# Altium PCB 控制盒基板.PcbDoc (part 3 of 8) (continued)
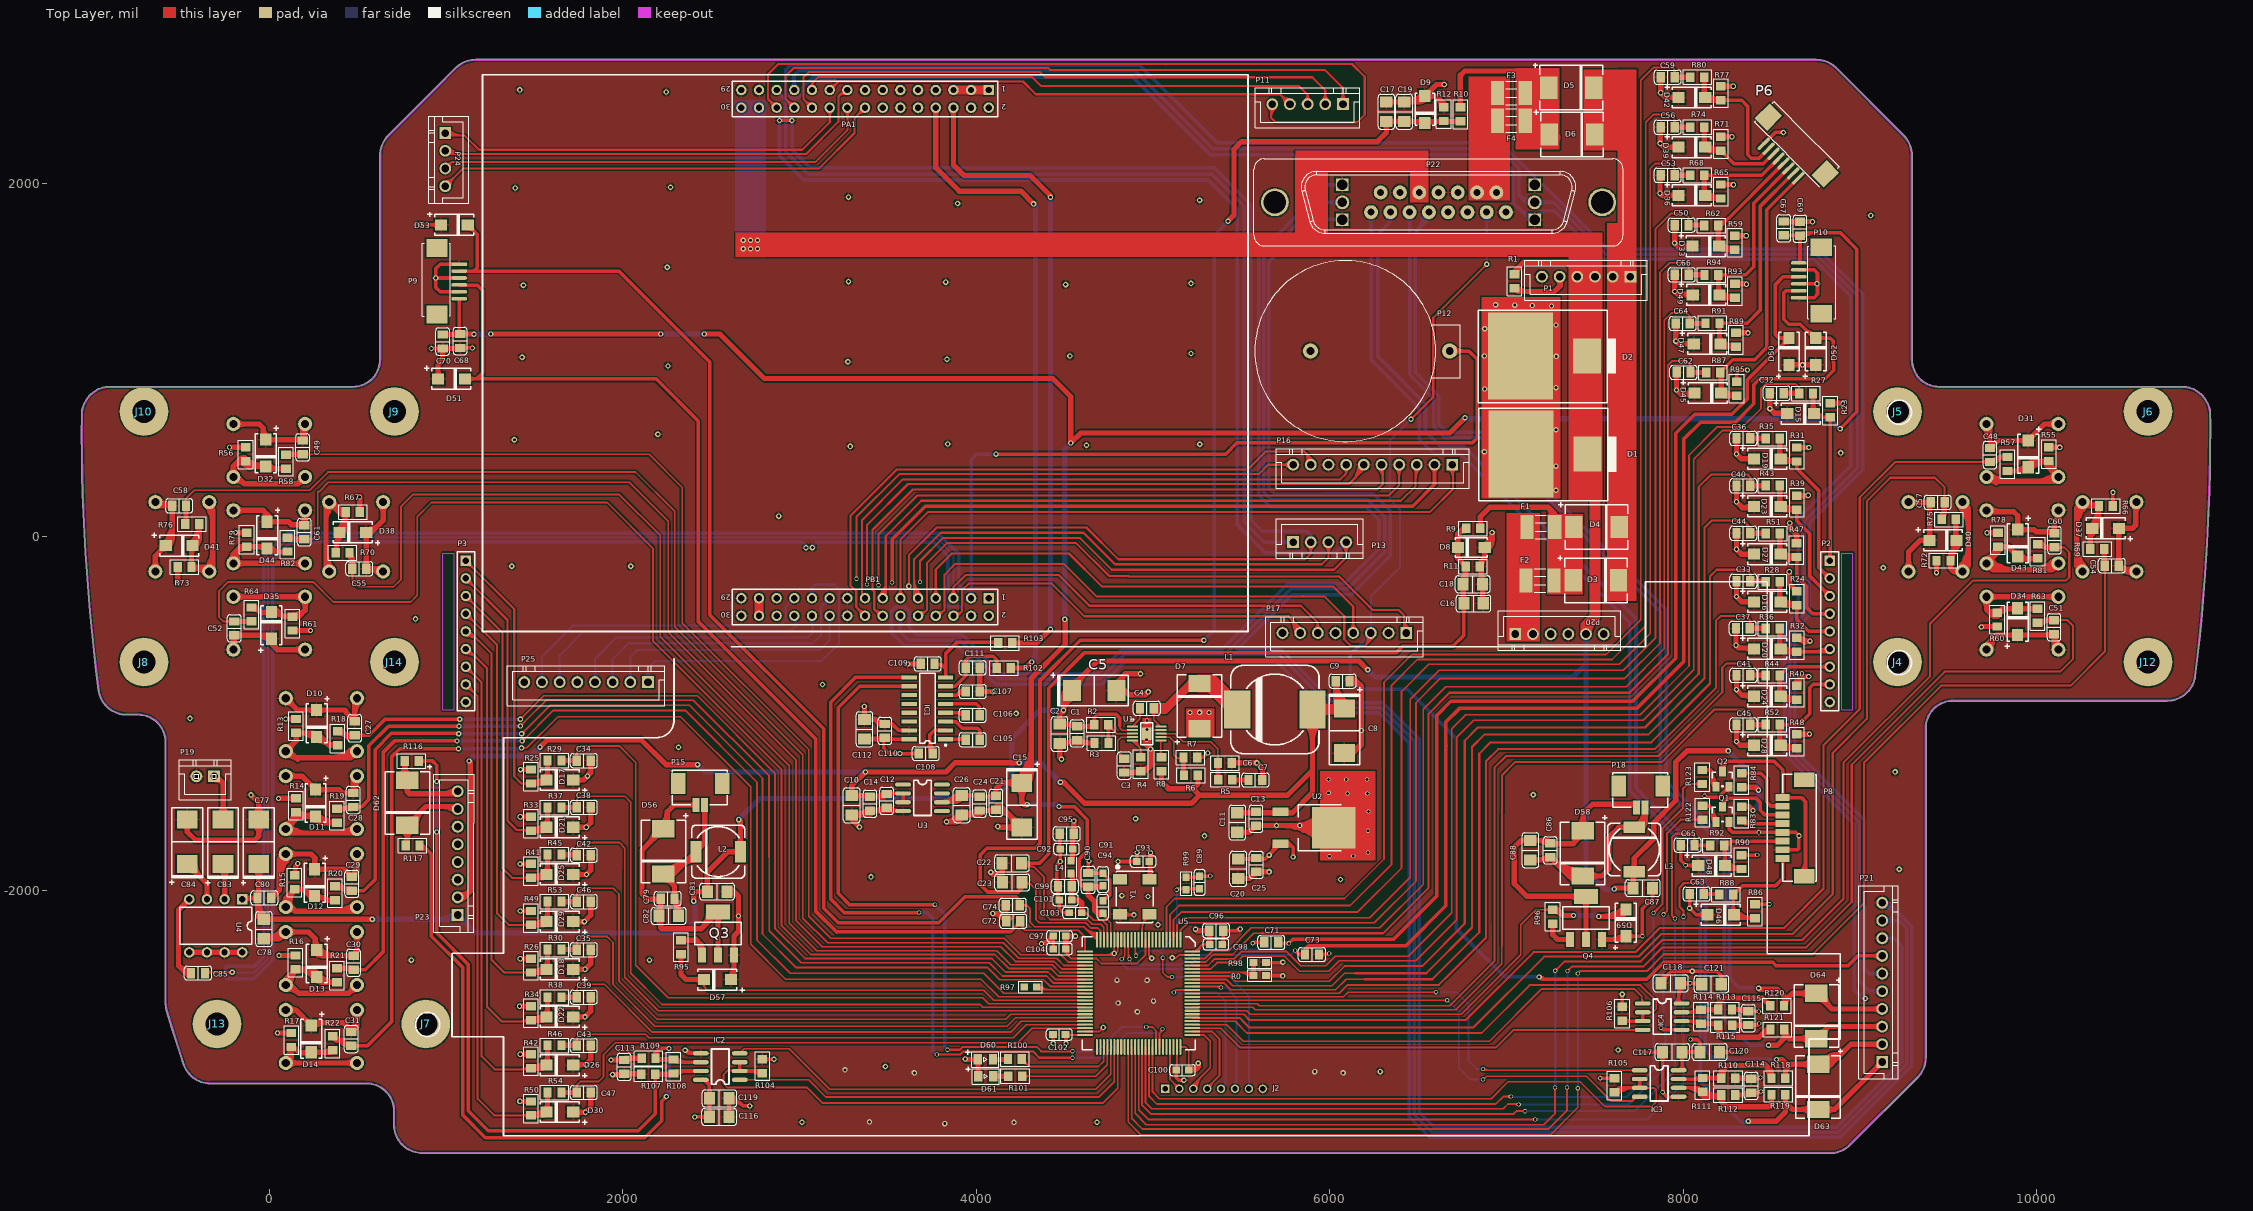
[diagram p0: Top Layer view]
## Nets (pads, with @x,y where several pads share a name; then routed paths per layer and width w, separated by ;. In a path a pad name is that pad's centre, name@x,y a point inside that pad or via, vN(x,y) a via of type N, cw(c..) or ccw(c..) an arc to the next point about the centre after c; other vN are vias at no path point) (continued)
  Bottom Layer w12: v2@7159,-3296 v2(7163,-3296) 7798,-3296 8002,-3092 v2(8002,-2150) ; 7177.49,-3296 ccw(c7177.49,-3310.49) 7167.24,-3300.24 cw(c7177.49,-3310.49) 7177.49,-3296 ; 7177.49,-3296 cw(c7177.49,-3281.51) 7167.24,-3291.76 ccw(c7177.49,-3281.51) 7177.49,-3296 ; 8002,-2164.49 ccw(c7987.51,-2164.49) 7997.76,-2154.24 cw(c7987.51,-2164.49) 8002,-2164.49 ; 8002,-2164.49 cw(c8016.49,-2164.49) 8006.24,-2154.24 ccw(c8016.49,-2164.49) 8002,-2164.49
KEYSWIN_G2: C65.1 R92.1 U5.64 | length 5589.8
  Top Layer w10: U5.64@4938.68,-2886.15 4938.68,-3216.68 4987,-3265 6834,-3265 ; 6835,-3266 6834,-3265 ; v2(7105,-3250) 7103,-3248 7059,-3248 7042,-3265 6834,-3265 ; 7083.27,-3248 cw(c7083.27,-3271.73) 7100.05,-3254.95 ccw(c7083.27,-3271.73) 7083.27,-3248 ; 7092.93,-3248 ccw(c7092.93,-3237.93) 7100.05,-3245.05 cw(c7092.93,-3237.93) 7092.93,-3248
  Top Layer w12: v2@7948,-2160 ccw(c7933.51,-2160) 7943.76,-2149.76 ccw(c7954,-2139.51) v2@7954,-2154 ; v2(7954,-2160) 7936,-2142 7936,-1701 7957,-1680 8044,-1680 8047,-1677 8064.37,-1694.37 C65.1@8064.37,-1744 ; 8064.37,-1695.55 ccw(c8106.91,-1695.55) 8076.83,-1725.63 cw(c8106.91,-1695.55) 8064.37,-1695.55 ; 8064.37,-1695.55 cw(c8021.83,-1695.55) 8051.91,-1725.63 ccw(c8021.83,-1695.55) 8064.37,-1695.55
  Top Layer w20: C65.1@8064.37,-1744 8066.37,-1746 R92.1@8152.63,-1746 ; 8119.74,-1746 ccw(c8119.74,-1713.11) 8143,-1736.37 cw(c8119.74,-1713.11) 8119.74,-1746 ; 8119.74,-1746 cw(c8119.74,-1778.89) 8143,-1755.63 ccw(c8119.74,-1778.89) 8119.74,-1746 ; C65.1@8074,-1753.63 cw(c8092.43,-1772.06) 8092.43,-1746 ccw(c8092.43,-1772.06) C65.1@8074,-1753.63 ; C65.1@8074,-1734.37 ccw(c8102.09,-1706.29) 8102.09,-1746 cw(c8102.09,-1706.29) C65.1@8074,-1734.37
  Bottom Layer w12: v2@7103,-3249 7725,-3249 7954,-3020 v2(7954,-2160) ; 7954,-2174.49 ccw(c7939.51,-2174.49) 7949.76,-2164.24 cw(c7939.51,-2174.49) 7954,-2174.49 ; 7954,-2174.49 cw(c7968.49,-2174.49) 7958.24,-2164.24 ccw(c7968.49,-2174.49) 7954,-2174.49 ; v2@7109.24,-3254.24 cw(c7121.9,-3266.9) 7121.9,-3249 ccw(c7121.9,-3266.9) v2@7109.24,-3254.24 ; v2@7109.24,-3245.76 ccw(c7117.07,-3237.93) 7117.07,-3249 cw(c7117.07,-3237.93) v2@7109.24,-3245.76
KEYSWIN_H1: C27.1 R18.1 U5.34 | length 5882
  Top Layer w10: 1433.6,-1018.62 ccw(c1438.12,-1035.51) v1(1421,-1032) ; 1434.38,-1019.4 cw(c1417.49,-1014.88) v1(1421,-1032) ; U5.34@4615.85,-2504.26 4448.26,-2504.26 4406,-2462 4165,-2462 4089,-2386 3032,-2386 2861,-2215 2861,-1337 2423,-899 1554,-899 v1(1421,-1032) ; 1438.07,-1014.93 ccw(c1455.14,-1032) 1431,-1032 cw(c1455.14,-1032) 1438.07,-1014.93 ; 1438.07,-1014.93 cw(c1421,-997.86) 1421,-1022 ccw(c1421,-997.86) 1438.07,-1014.93
  Top Layer w20: C27.1@484,-1122.37 565.63,-1122.37 657,-1031 1077,-1031 v1(1078,-1032) ; 522.79,-1122.37 ccw(c522.79,-1155.26) 499.54,-1132 cw(c522.79,-1155.26) 522.79,-1122.37 ; 522.79,-1122.37 cw(c522.79,-1089.48) 499.54,-1112.74 ccw(c522.79,-1089.48) 522.79,-1122.37
  Top Layer w30: R18.1@387,-1100.63 412.63,-1100.63 439,-1127 ; R18.1@390.94,-1109.25 cw(c390.94,-1182.44) 442.69,-1130.69 ; R18.1@391.53,-1109.23 cw(c395.75,-1170.24) 439,-1127 ; R18.1@398.4,-1096.32 ccw(c441.06,-1071.69) 428.31,-1119.27 ; C27.1@484,-1122.37 443.63,-1122.37 439,-1127
  Bottom Layer w20: v1(1078,-1032) v1(1421,-1032) v1@1422,-1031
KEYSWIN_H2: C28.1 R19.1 U5.35 | length 6122.6
  Top Layer w10: v1(1421,-1070) 1422.6,-1070 1449,-1043.6 1449,-1042 1567,-924 2400,-924 2828,-1352 2828,-1812 2829,-1813 2829,-2229 3010,-2410 4074,-2410 4149,-2485 4398,-2485 4436.94,-2523.94 U5.35@4615.85,-2523.94 ; v1@1421,-1060 ccw(c1421,-1032) 1440.8,-1051.8 ; v1@1431,-1070 cw(c1451.28,-1070) 1436.94,-1055.66
  Top Layer w20: C28.1@475,-1528.37 521.63,-1528.37 564,-1486 564,-1183 675,-1072 v1(1074,-1072) ; 513.79,-1528.37 ccw(c513.79,-1561.26) 490.54,-1538 cw(c513.79,-1561.26) 513.79,-1528.37 ; 513.79,-1528.37 cw(c513.79,-1495.48) 490.54,-1518.74 ccw(c513.79,-1495.48) 513.79,-1528.37
  Top Layer w30: R19.1@384,-1538.63 464.74,-1538.63 C28.1@475,-1528.37 ; 442.13,-1534.32 cw(c452.28,-1551.91) C28.1@464.08,-1535.39 ; 423.51,-1538.63 ccw(c423.51,-1482.79) 463,-1522.27 cw(c423.51,-1482.79) 423.51,-1538.63
  Bottom Layer w20: v1(1074,-1072) 1419,-1072 v1(1421,-1070) ; 1404.1,-1072 ccw(c1404.1,-1053.1) 1417.46,-1066.46 cw(c1404.1,-1053.1) 1404.1,-1072
KEYSWIN_H3: C29.1 R20.1 U5.36 | length 6748.8
  Top Layer w10: 1440.6,-1100.62 ccw(c1445.12,-1117.51) v1(1428,-1114) ; 1441.38,-1101.4 cw(c1424.49,-1096.88) v1(1428,-1114) ; U5.36@4615.85,-2543.63 4418.63,-2543.63 4381,-2506 4134,-2506 4065,-2437 2981,-2437 2791,-2247 2791,-1366 2378,-953 1589,-953 v1(1428,-1114) ; 1445.07,-1096.93 ccw(c1462.14,-1114) 1438,-1114 cw(c1462.14,-1114) 1445.07,-1096.93 ; 1445.07,-1096.93 cw(c1428,-1079.86) 1428,-1104 ccw(c1428,-1079.86) 1445.07,-1096.93
  Top Layer w20: C29.1@468,-2002.37 535.63,-2002.37 599,-1939 599,-1204 691,-1112 1070,-1112 v1(1072,-1114) ; 506.79,-2002.37 ccw(c506.79,-2035.26) 483.54,-2012 cw(c506.79,-2035.26) 506.79,-2002.37 ; 506.79,-2002.37 cw(c506.79,-1969.48) 483.54,-1992.74 ccw(c506.79,-1969.48) 506.79,-2002.37 ; 1055.1,-1112 cw(c1055.1,-1130.9) 1068.46,-1117.54 ccw(c1055.1,-1130.9) 1055.1,-1112
  Top Layer w30: R20.1@372,-1976.63 407.63,-1976.63 ; R20.1@377.53,-1985.1 cw(c389.09,-2046.65) 433.37,-2002.37 ; R20.1@379.5,-1984.48 cw(c395.72,-2020.24) 423.48,-1992.48 ; 421.99,-1990.99 ccw(c442.32,-1970.67) C29.1@457.53,-1995.06 ; C29.1@460.74,-1993.86 cw(c451.06,-1933.2) 407.63,-1976.63 ; C29.1@468,-2002.37 433.37,-2002.37 ; 407.63,-1976.63 433.37,-2002.37
  Bottom Layer w20: v1(1072,-1114) v1(1428,-1114)
KEYSWIN_H4: C30.1 R21.1 U5.38 | length 6967.1
  Top Layer w10: 1445.38,-1141.15 ccw(c1450.72,-1161.08) v1(1431,-1155) 1434,-1155 1607,-982 2353,-982 2760,-1389 2760,-2282 2947,-2469 4042,-2469 4156,-2583 U5.38@4615.85,-2583 ; v1@1431,-1145 ccw(c1431,-1113.62) 1453.19,-1135.81 cw(c1431,-1113.62) v1@1431,-1145 ; v1@1441,-1155 cw(c1457.9,-1155) 1445.95,-1143.05 ccw(c1457.9,-1155) v1@1441,-1155
  Top Layer w20: C30.1@477,-2449.37 543.63,-2449.37 644,-2349 644,-1220 709,-1155 v1(1062,-1155) ; 515.79,-2449.37 ccw(c515.79,-2482.26) 492.54,-2459 cw(c515.79,-2482.26) 515.79,-2449.37 ; 515.79,-2449.37 cw(c515.79,-2416.48) 492.54,-2439.74 ccw(c515.79,-2416.48) 515.79,-2449.37
  Top Layer w30: R21.1@383,-2441.63 469.26,-2441.63 C30.1@477,-2449.37 ; 431.59,-2441.63 cw(c431.59,-2488.87) 465,-2455.47 ccw(c431.59,-2488.87) 431.59,-2441.63
  Bottom Layer w20: v1(1062,-1155) v1(1431,-1155) v1@1432,-1154
KEYSWIN_H5: C31.1 R22.1 U5.39 | length 7575.5
  Top Layer w10: v1(1427,-1194) 1458,-1194 1634,-1018 2327,-1018 2724,-1415 2724,-1865 ; 2724,-1876 2724,-1865 ; U5.39@4615.85,-2602.68 4126.68,-2602.68 4027,-2503 2921,-2503 2724,-2306 2724,-1865 ; 1451.14,-1194 ccw(c1451.14,-1218.14) 1434.07,-1201.07 cw(c1451.14,-1218.14) 1451.14,-1194 ; 1451.14,-1194 cw(c1451.14,-1169.86) 1434.07,-1186.93 ccw(c1451.14,-1169.86) 1451.14,-1194
  Top Layer w20: C31.1@464,-2880.37 555.63,-2880.37 692,-2744 692,-1246 739,-1199 v1(1071,-1199) v1@1074,-1196 ; 502.79,-2880.37 ccw(c502.79,-2913.26) 479.54,-2890 cw(c502.79,-2913.26) 502.79,-2880.37 ; 502.79,-2880.37 cw(c502.79,-2847.48) 479.54,-2870.74 ccw(c502.79,-2847.48) 502.79,-2880.37
  Top Layer w30: R22.1@359,-2826.63 381.37,-2849 410,-2849 ; 414.83,-2853.83 ccw(c458.1,-2810.56) C31.1@458.1,-2871.75 ; 418.36,-2857.36 ccw(c453.52,-2822.2) C31.1@457.42,-2871.77 ; 419.38,-2864.72 cw(c410.4,-2913.14) C31.1@450.99,-2885.25 ; C31.1@464,-2880.37 441.37,-2880.37 410,-2849 ; 410,-2849 cw(c410,-2806.39) 370.86,-2823.22 ccw(c410,-2806.39) 410,-2849
  Bottom Layer w20: v1(1071,-1199) 1422,-1199 v1(1427,-1194) ; 1402.86,-1199 ccw(c1402.86,-1169.86) 1423.46,-1190.46 cw(c1402.86,-1169.86) 1402.86,-1199
KEYSWIN_I1: C50.1 R62.1 U5.2 | length 6839.4
  Top Layer w10: U5.2@5135.53,-2279.85 5135.53,-2197.47 5178,-2155 6226,-2155 6456,-1925 6456,-918 6619,-755 7076,-755 7660,-755 7844,-571 7844,1743 7930,1829 8009,1829 8030.37,1807.63 C50.1@8030.37,1764 ; 8030.37,1807.63 ccw(c8059.27,1807.63) 8041.69,1784.69 cw(c8059.27,1807.63) 8030.37,1807.63 ; 8030.37,1807.63 cw(c8001.47,1807.63) 8019.05,1784.69 ccw(c8001.47,1807.63) 8030.37,1807.63
  Top Layer w30: C50.1@8030.37,1764 8116.63,1764 R62.1@8119.63,1761
KEYSWIN_I2: C53.1 R68.1 U5.3 | length 7072
  Top Layer w10: U5.3@5115.85,-2279.85 5115.85,-2168.15 5162,-2122 6159,-2122 6407,-1874 6407,-875 6561,-721 7639,-721 7813,-547 7813,2084 7841,2112 7925,2112 7951.37,2085.63 C53.1@7951.37,2046 ; 7951.37,2085.63 ccw(c7972.59,2085.63) 7961.29,2067.67 cw(c7972.59,2085.63) 7951.37,2085.63 ; 7951.37,2085.63 cw(c7930.15,2085.63) 7941.45,2067.67 ccw(c7930.15,2085.63) 7951.37,2085.63
  Top Layer w30: C53.1@7951.37,2046 R68.1@8040.63,2046
KEYSWIN_J1: C56.1 R74.1 U5.4 | length 7397.5
  Top Layer w10: U5.4@5096.16,-2279.85 5096.16,-2137.84 5148,-2086 5210,-2086 6116,-2086 6350,-1852 6350,-840 6496,-694 6871,-694 ; 6858,-694 6871,-694 ; C56.1@7951.37,2318 7951.37,2361.63 7923,2390 7833,2390 7788,2345 7788,-503 7597,-694 6871,-694 ; 7951.37,2361.63 ccw(c7980.27,2361.63) 7962.69,2338.69 cw(c7980.27,2361.63) 7951.37,2361.63 ; 7951.37,2361.63 cw(c7922.47,2361.63) 7940.05,2338.69 ccw(c7922.47,2361.63) 7951.37,2361.63
  Top Layer w30: C56.1@7951.37,2318 R74.1@8040.63,2318
KEYSWIN_J2: C59.1 R80.1 U5.5 | length 7640.5
  Top Layer w10: U5.5@5076.48,-2279.85 5076.48,-2172 5076.48,-2093.52 5124,-2046 6084,-2046 6307,-1823 6307,-823 6464,-666 7564,-666 7760,-470 7760,2584 7831,2655 7940,2655 7951.37,2643.63 C59.1@7951.37,2601 ; 7951.37,2643.63 ccw(c7978.27,2643.63) 7962.37,2621.93 cw(c7978.27,2643.63) 7951.37,2643.63 ; 7951.37,2643.63 cw(c7924.47,2643.63) 7940.37,2621.93 ccw(c7924.47,2643.63) 7951.37,2643.63
  Top Layer w30: C59.1@7951.37,2601 R80.1@8040.63,2601
KEYSWIN_M2: C62.1 R87.1 U5.97 | length 6077.7
  Top Layer w10: U5.97@5222.15,-2405.83 5299.17,-2405.83 5342,-2363 5450,-2363 5570,-2243 5615,-2243
  Top Layer w12: 5615,-2243 6302,-2243 6560,-1985 6560,-1000 6678,-882 6879,-882 ; 6805,-882 6879,-882 ; C62.1@8041.37,930 8041.37,971.63 8018,995 7938,995 7915,972 7915,-663 7696,-882 6879,-882 ; 8041.37,971.63 ccw(c8068.77,971.63) 8052.09,949.89 cw(c8068.77,971.63) 8041.37,971.63 ; 8041.37,971.63 cw(c8013.97,971.63) 8030.65,949.89 ccw(c8013.97,971.63) 8041.37,971.63
  Top Layer w30: C62.1@8041.37,930 R87.1@8130.63,930
KEYSWIN_M3: C64.1 R91.1 U5.98 | length 6280.5
  Top Layer w10: U5.98@5222.15,-2386.15 5292.85,-2386.15 5338,-2341 5428,-2341 5557,-2212 6284,-2212 6529,-1967 6529,-975 6656,-848 7677,-848 7893,-632 7893,1225 7934,1266 8021,1266 8037.37,1249.63 C64.1@8037.37,1207 ; 8037.37,1249.63 ccw(c8064.27,1249.63) 8048.37,1227.93 cw(c8064.27,1249.63) 8037.37,1249.63 ; 8037.37,1249.63 cw(c8010.47,1249.63) 8026.37,1227.93 ccw(c8010.47,1249.63) 8037.37,1249.63
  Top Layer w30: C64.1@8037.37,1207 8124.63,1207 R91.1@8126.63,1209 ; 8101.14,1207 cw(c8101.14,1179.57) 8120.53,1198.97 ccw(c8101.14,1179.57) 8101.14,1207
KEYSWIN_M4: C66.1 R94.1 U5.1 | length 6546.5
  Top Layer w10: U5.1@5155.22,-2279.85 5155.22,-2226.78 5199,-2183 6253,-2183 6488,-1948 6488,-939 6626,-801 7669,-801 7869,-601 7869,1497 7923,1551 8004,1551 8031.37,1523.63 C66.1@8031.37,1483 ; 8031.37,1523.63 ccw(c8054.43,1523.63) 8041.67,1504.42 cw(c8054.43,1523.63) 8031.37,1523.63 ; 8031.37,1523.63 cw(c8008.31,1523.63) 8021.07,1504.42 ccw(c8008.31,1523.63) 8031.37,1523.63
  Top Layer w30: C66.1@8031.37,1483 8119.63,1483 R94.1@8120.63,1482
KEYSWLED_G1: R122.2 U5.65 | length 5236.1
  Top Layer w10: U5.65@4958.37,-2886.15 4958.37,-3201.37 4993,-3236 6788,-3236 ; 6789,-3237 6788,-3236 ; v2(7069,-3212) 7066,-3209 7009,-3209 6982,-3236 6788,-3236 ; 7044.86,-3209 cw(c7044.86,-3236.14) 7064.05,-3216.95 ccw(c7044.86,-3236.14) 7044.86,-3209
  Top Layer w12: v2(7889,-2136) 7909,-2116 7909,-1677 7985.79,-1600.21 R122.2@8109,-1600.21 ; v2@7889,-2130 ccw(c7889,-2115.51) 7899.24,-2125.76 ccw(c7909.49,-2136) v2@7895,-2136 ; 8062.52,-1600.21 ccw(c8062.52,-1557.67) 8092.6,-1587.75 cw(c8062.52,-1557.67) 8062.52,-1600.21 ; 8062.52,-1600.21 cw(c8062.52,-1642.76) 8092.6,-1612.67 ccw(c8062.52,-1642.76) 8062.52,-1600.21
  Bottom Layer w12: v2@7066,-3212 v2(7069,-3212) 7691,-3212 7901,-3002 7901,-2767.23 7889,-2755.23 v2(7889,-2136) ; 7083.49,-3212 ccw(c7083.49,-3226.49) 7073.24,-3216.24 cw(c7083.49,-3226.49) 7083.49,-3212 ; 7083.49,-3212 cw(c7083.49,-3197.51) 7073.24,-3207.76 ccw(c7083.49,-3197.51) 7083.49,-3212 ; 7889,-2150.49 ccw(c7874.51,-2150.49) 7884.76,-2140.24 cw(c7874.51,-2150.49) 7889,-2150.49 ; 7889,-2150.49 cw(c7903.49,-2150.49) 7893.24,-2140.24 ccw(c7903.49,-2150.49) 7889,-2150.49
KEYSWLED_G2: R123.2 U5.66 | length 5326.9
  Top Layer w10: U5.66@4978.05,-2886.15 4978.05,-3166.05 5021,-3209 6940,-3209 6982,-3167 v2(7025,-3167) ; 7008.1,-3167 ccw(c7008.1,-3150.1) 7020.05,-3162.05 cw(c7008.1,-3150.1) 7008.1,-3167 ; 7008.1,-3167 cw(c7008.1,-3183.9) 7020.05,-3171.95 ccw(c7008.1,-3183.9) 7008.1,-3167
  Top Layer w12: v2(7832,-2128) 7882,-2078 7882,-1652 8000,-1534 8000,-1424 8025.79,-1398.21 R123.2@8108,-1398.21 ; 7842.24,-2117.76 ccw(c7852.49,-2128) 7838,-2128 cw(c7852.49,-2128) 7842.24,-2117.76 ; 7842.24,-2117.76 cw(c7832,-2107.51) 7832,-2122 ccw(c7832,-2107.51) 7842.24,-2117.76 ; 8061.52,-1398.21 ccw(c8061.52,-1355.67) 8091.6,-1385.75 cw(c8061.52,-1355.67) 8061.52,-1398.21 ; 8061.52,-1398.21 cw(c8061.52,-1440.76) 8091.6,-1410.67 ccw(c8061.52,-1440.76) 8061.52,-1398.21
  Bottom Layer w12: v2@7022,-3169 7679,-3169 7832,-3016 v2(7832,-2128) ; 7832,-2142.49 ccw(c7817.51,-2142.49) 7827.76,-2132.24 cw(c7817.51,-2142.49) 7832,-2142.49 ; 7832,-2142.49 cw(c7846.49,-2142.49) 7836.24,-2132.24 ccw(c7846.49,-2142.49) 7832,-2142.49 ; v2@7029.24,-3162.76 ccw(c7044.31,-3147.69) 7044.31,-3169 cw(c7044.31,-3147.69) v2@7029.24,-3162.76
KJ_A1: D15.2 P2.1 R23.1 R27.2 | length 1603.8
  Top Layer w10: D15.2@8740.79,689.63 D15.2@8740.79,697
  Top Layer w20: D15.2@8740.79,689.63 D15.2@8748.16,689.63 ; D15.2@8740.79,697 8767.63,697 8788,676.63 ; D15.2@8744.2,695.58 cw(c8754.16,665.02) 8776.89,687.74 ; D15.2@8756.09,679.4 cw(c8770.39,659.02) 8788,676.63 ; P2.1@8829.73,-134.96 8832,-132.68 R23.1@8832,676.63 8788,676.63 ; 8795.18,676.63 ccw(c8795.18,709.52) 8818.43,686.26 cw(c8795.18,709.52) 8795.18,676.63 ; 8795.18,676.63 cw(c8795.18,643.74) 8818.43,667 ccw(c8795.18,643.74) 8795.18,676.63 ; 8832,643.74 ccw(c8799.11,643.74) 8822.37,667 cw(c8799.11,643.74) 8832,643.74 ; 8832,643.74 cw(c8864.89,643.74) 8841.63,667 ccw(c8864.89,643.74) 8832,643.74 ; P2.1@8815.92,-121.15 ccw(c8777.09,-82.32) 8832,-82.32 cw(c8777.09,-82.32) P2.1@8815.92,-121.15 ; 8832,-93.3 ccw(c8871.38,-93.3) 8843.53,-121.15 cw(c8871.38,-93.3) 8832,-93.3
  Top Layer w30: R27.2@8734.9,811 8734.9,702.89 D15.2@8740.79,697 D15.2@8748.16,689.63 ; D15.2@8726.17,708.66 ccw(c8705.1,729.73) 8734.9,729.73 cw(c8705.1,729.73) D15.2@8726.17,708.66 ; 8734.9,743.92 ccw(c8784.75,743.92) 8749.5,708.66 cw(c8784.75,743.92) 8734.9,743.92
KJ_A2: D19.2 P2.2 R31.1 R35.2 | length 1626.1
  Top Layer w20: R31.1@8643,426.63 8643,387 8766,264 8766,-171.23 P2.2@8829.73,-234.96 ; 8803.8,-211.09 ccw(c8836.4,-202.36) P2.2@8829.63,-235.42 ; 8805.86,-209.03 cw(c8797.13,-241.63) P2.2@8830.19,-234.86 ; 8643,393.74 ccw(c8610.11,393.74) 8633.37,417 cw(c8610.11,393.74) 8643,393.74 ; 8643,393.74 cw(c8675.89,393.74) 8652.63,417 ccw(c8675.89,393.74) 8643,393.74 ; 8796.39,-201.62 ccw(c8829.73,-168.29) 8829.73,-215.43 cw(c8829.73,-168.29) 8796.39,-201.62 ; 8796.39,-201.62 cw(c8763.06,-234.96) 8810.2,-234.96 ccw(c8763.06,-234.96) 8796.39,-201.62
  Top Layer w30: R35.2@8545.9,557 8545.9,446.89 8566.16,426.63 R31.1@8643,426.63 ; D19.2@8566.72,429.66 cw(c8585.41,411.97) 8598.28,434.26 ; D19.2@8537.17,452.66 ccw(c8516.1,473.73) 8545.9,473.73 cw(c8516.1,473.73) D19.2@8537.17,452.66 ; 8545.9,487.92 ccw(c8595.75,487.92) 8560.5,452.66 cw(c8595.75,487.92) 8545.9,487.92 ; D19.2@8566.4,452.66 ccw(c8629.26,515.52) 8629.26,426.63 cw(c8629.26,515.52) D19.2@8566.4,452.66 ; 8612.38,431.15 ccw(c8620.01,459.63) 8634.75,434.1 cw(c8620.01,459.63) 8612.38,431.15
KJ_A3: D23.2 P2.3 R39.1 R43.2 | length 1473.5
  Top Layer w12: P2.3@8824.77,-330 P2.3@8829.73,-334.96
  Top Layer w20: D23.2@8551.79,172 D23.2@8570.16,153.63 ; R39.1@8643,153.63 8643,90 8716,17 8716,-221.23 P2.3@8829.73,-334.96 ; 8803.8,-311.09 ccw(c8836.4,-302.36) P2.3@8829.63,-335.42 ; 8805.86,-309.03 cw(c8797.13,-341.63) P2.3@8830.19,-334.86 ; 8643,120.74 ccw(c8610.11,120.74) 8633.37,144 cw(c8610.11,120.74) 8643,120.74 ; 8643,120.74 cw(c8675.89,120.74) 8652.63,144 ccw(c8675.89,120.74) 8643,120.74 ; 8796.39,-301.62 ccw(c8829.73,-268.29) 8829.73,-315.43 cw(c8829.73,-268.29) 8796.39,-301.62 ; 8796.39,-301.62 cw(c8763.06,-334.96) 8810.2,-334.96 ccw(c8763.06,-334.96) 8796.39,-301.62
  Top Layer w30: R43.2@8545.9,291 8545.9,177.89 8570.16,153.63 R39.1@8643,153.63 ; D23.2@8564.88,158.99 cw(c8586.67,131.01) 8604.4,161.72 ; D23.2@8537.17,183.66 ccw(c8516.1,204.73) 8545.9,204.73 cw(c8516.1,204.73) D23.2@8537.17,183.66 ; 8545.9,218.92 ccw(c8595.75,218.92) 8560.5,183.66 cw(c8595.75,218.92) 8545.9,218.92 ; D23.2@8566.4,183.66 ccw(c8638.91,256.17) 8638.91,153.63 cw(c8638.91,256.17) D23.2@8566.4,183.66
KJ_A4: D27.2 P2.4 R47.1 R51.2 | length 1456.7
  Top Layer w20: R47.1@8643,-119.37 8643,-224 8698,-279 8698,-400 8732.96,-434.96 P2.4@8829.73,-434.96 ; 8782.58,-434.96 ccw(c8782.58,-387.81) 8815.92,-421.15 cw(c8782.58,-387.81) 8782.58,-434.96 ; 8782.58,-434.96 cw(c8782.58,-482.1) 8815.92,-448.76 ccw(c8782.58,-482.1) 8782.58,-434.96 ; R47.1@8635.3,-124 cw(c8616.73,-142.58) 8643,-142.58 ccw(c8616.73,-142.58) R47.1@8635.3,-124 ; 8643,-151.93 cw(c8682.5,-151.93) 8654.57,-124 ccw(c8682.5,-151.93) 8643,-151.93
  Top Layer w30: R51.2@8546.37,19 8546.37,-92.58 D27.2@8551.79,-98 8570,-98 8592,-120 ; D27.2@8557.53,-114.26 cw(c8565.67,-161.59) 8599.63,-127.63 ; D27.2@8560.69,-113.39 cw(c8571.27,-140.73) 8592,-120 ; D27.2@8563.88,-111.73 cw(c8584.96,-143.37) 8605.35,-111.28 ; R47.1@8643,-119.37 R47.1@8642.37,-120 ; 8592,-120 R47.1@8642.37,-120 ; R47.1@8642.37,-120 cw(c8642.37,-17.52) 8566.89,-86.84 ccw(c8642.37,-17.52) R47.1@8642.37,-120 ; D27.2@8537.17,-86.34 ccw(c8514.96,-64.12) 8546.37,-64.12 cw(c8514.96,-64.12) D27.2@8537.17,-86.34 ; 8546.37,-52.23 ccw(c8594.61,-52.23) 8560.5,-86.34 cw(c8594.61,-52.23) 8546.37,-52.23 ; 8602.65,-120 ccw(c8602.65,-79.96) 8630.97,-108.27 cw(c8602.65,-79.96) 8602.65,-120 ; 8606.42,-110.37 ccw(c8615.4,-76.85) 8632.75,-106.9 cw(c8615.4,-76.85) 8606.42,-110.37
KJ_A5: D16.2 P2.5 R24.1 R28.2 | length 1097.7
  Top Layer w20: R24.1@8643,-387.37 8643,-468 8709.96,-534.96 P2.5@8829.73,-534.96 ; 8643,-420.26 ccw(c8610.11,-420.26) 8633.37,-397 cw(c8610.11,-420.26) 8643,-420.26 ; 8643,-420.26 cw(c8675.89,-420.26) 8652.63,-397 ccw(c8675.89,-420.26) 8643,-420.26 ; 8782.58,-534.96 ccw(c8782.58,-487.81) 8815.92,-521.15 cw(c8782.58,-487.81) 8782.58,-534.96 ; 8782.58,-534.96 cw(c8782.58,-582.1) 8815.92,-548.76 ccw(c8782.58,-582.1) 8782.58,-534.96
  Top Layer w30: R28.2@8545.9,-254 8545.9,-362.11 8571.16,-387.37 R24.1@8643,-387.37 ; D16.2@8564.44,-381.34 cw(c8586.87,-412.19) 8605.94,-379.16 ; D16.2@8537.17,-356.34 ccw(c8516.1,-335.27) 8545.9,-335.27 cw(c8516.1,-335.27) D16.2@8537.17,-356.34 ; 8545.9,-321.08 ccw(c8595.75,-321.08) 8560.5,-356.34 cw(c8595.75,-321.08) 8545.9,-321.08 ; D16.2@8566.4,-356.34 ccw(c8641.33,-281.41) 8641.33,-387.37 cw(c8641.33,-281.41) D16.2@8566.4,-356.34
KJ_A6: D20.2 P2.6 R32.1 R36.2 | length 1141.4
  Top Layer w20: R32.1@8643,-650.37 8814.31,-650.37 P2.6@8829.73,-634.96 ; 8780.62,-641.53 cw(c8794.12,-664.91) P2.6@8814.78,-647.53 ; 8679.82,-650.37 ccw(c8679.82,-683.26) 8656.57,-660 cw(c8679.82,-683.26) 8679.82,-650.37 ; 8679.82,-650.37 cw(c8679.82,-617.48) 8656.57,-640.74 ccw(c8679.82,-617.48) 8679.82,-650.37 ; 8745.37,-650.37 ccw(c8745.37,-550.6) 8815.92,-621.15 cw(c8745.37,-550.6) 8745.37,-650.37 ; 8793.65,-650.37 ccw(c8793.65,-598.88) 8830.06,-635.29 cw(c8793.65,-598.88) 8793.65,-650.37
  Top Layer w30: R36.2@8545.9,-518 8545.9,-628.11 D20.2@8551.79,-634 8568.16,-650.37 R32.1@8643,-650.37 ; D20.2@8565.78,-646.25 cw(c8586.14,-668.84) 8601.34,-642.51 ; D20.2@8537.17,-622.34 ccw(c8516.1,-601.27) 8545.9,-601.27 cw(c8516.1,-601.27) D20.2@8537.17,-622.34 ; 8545.9,-587.08 ccw(c8595.75,-587.08) 8560.5,-622.34 cw(c8595.75,-587.08) 8545.9,-587.08 ; D20.2@8566.4,-622.34 ccw(c8634.08,-554.65) 8634.08,-650.37 cw(c8634.08,-554.65) D20.2@8566.4,-622.34 ; R32.1@8615.62,-645.42 ccw(c8622.15,-621.07) 8634.75,-642.9 cw(c8622.15,-621.07) R32.1@8615.62,-645.42
KJ_A7: D24.2 P2.7 R40.1 R44.2 | length 1110.2
  Top Layer w20: R44.2@8545.9,-785 8595.94,-734.96 P2.7@8829.73,-734.96 ; 8782.58,-734.96 ccw(c8782.58,-687.81) 8815.92,-721.15 cw(c8782.58,-687.81) 8782.58,-734.96 ; 8782.58,-734.96 cw(c8782.58,-782.1) 8815.92,-748.76 ccw(c8782.58,-782.1) 8782.58,-734.96 ; R44.2@8545.9,-767.44 ccw(c8545.9,-725.05) 8575.87,-755.03 cw(c8545.9,-725.05) R44.2@8545.9,-767.44 ; R44.2@8559.52,-781.06 cw(c8582.9,-781.06) 8566.37,-764.53 ccw(c8582.9,-781.06) R44.2@8559.52,-781.06
  Top Layer w30: R44.2@8545.9,-785 8545.9,-896.11 D24.2@8551.79,-902 8571.16,-921.37 R40.1@8643,-921.37 ; D24.2@8564.44,-915.34 cw(c8586.87,-946.19) 8605.94,-913.16 ; D24.2@8537.17,-890.34 ccw(c8516.1,-869.27) 8545.9,-869.27 cw(c8516.1,-869.27) D24.2@8537.17,-890.34 ; 8545.9,-855.08 ccw(c8595.75,-855.08) 8560.5,-890.34 cw(c8595.75,-855.08) 8545.9,-855.08 ; D24.2@8566.4,-890.34 ccw(c8641.33,-815.41) 8641.33,-921.37 cw(c8641.33,-815.41) D24.2@8566.4,-890.34
KJ_A8: D28.2 P2.8 R48.1 R52.2 | length 1254.2
  Top Layer w20: R52.2@8545.9,-1062 8655,-1062 8716,-1001 8716,-854 8735.04,-834.96 P2.8@8829.73,-834.96 ; 8578.78,-1062 ccw(c8578.78,-1094.89) 8555.53,-1071.63 cw(c8578.78,-1094.89) 8578.78,-1062 ; 8578.78,-1062 cw(c8578.78,-1029.11) 8555.53,-1052.37 ccw(c8578.78,-1029.11) 8578.78,-1062 ; 8782.58,-834.96 ccw(c8782.58,-787.81) 8815.92,-821.15 cw(c8782.58,-787.81) 8782.58,-834.96 ; 8782.58,-834.96 cw(c8782.58,-882.1) 8815.92,-848.76 ccw(c8782.58,-882.1) 8782.58,-834.96
  Top Layer w30: R52.2@8545.9,-1062 8545.9,-1173.11 8569.16,-1196.37 R48.1@8643,-1196.37 ; D28.2@8565.33,-1191.65 cw(c8586.43,-1216.87) 8602.87,-1188.39 ; D28.2@8537.17,-1167.34 ccw(c8516.1,-1146.27) 8545.9,-1146.27 cw(c8516.1,-1146.27) D28.2@8537.17,-1167.34 ; 8545.9,-1132.08 ccw(c8595.75,-1132.08) 8560.5,-1167.34 cw(c8595.75,-1132.08) 8545.9,-1132.08 ; D28.2@8566.4,-1167.34 ccw(c8636.5,-1097.24) 8636.5,-1196.37 cw(c8636.5,-1097.24) D28.2@8566.4,-1167.34
KJ_B1: D17.2 P3.1 R25.1 R29.2 | length 2385.6
  Top Layer w12: P3.1@1111.94,-135.05 ccw(c1151.85,-126.88) 1141.3,-166.23 ; P3.1@1112.4,-134.96 1386,-408.56 1386,-1355 1426.37,-1395.37 R25.1@1481,-1395.37 ; P3.1@1112.49,-134.49 cw(c1104.32,-174.4) 1143.67,-163.86 ; 1152.56,-175.12 ccw(c1112.4,-215.28) 1112.4,-158.48 cw(c1112.4,-215.28) 1152.56,-175.12 ; 1152.56,-175.12 cw(c1192.73,-134.96) 1135.93,-134.96 ccw(c1192.73,-134.96) 1152.56,-175.12 ; 1434.52,-1395.37 ccw(c1434.52,-1352.83) 1464.6,-1382.91 cw(c1434.52,-1352.83) 1434.52,-1395.37 ; 1434.52,-1395.37 cw(c1434.52,-1437.91) 1464.6,-1407.83 ccw(c1434.52,-1437.91) 1434.52,-1395.37
  Top Layer w30: R25.1@1481,-1395.37 1549.37,-1395.37 D17.2@1568.74,-1376 1574.63,-1370.11 R29.2@1574.63,-1266 ; 1516.14,-1387.1 cw(c1534.46,-1417.75) D17.2@1555.89,-1389.19 ; R25.1@1481,-1395.37 ccw(c1481.01,-1293.73) 1553.95,-1364.51 cw(c1481.01,-1293.73) R25.1@1481,-1395.37 ; D17.2@1560.03,-1364.34 ccw(c1524.78,-1329.09) 1574.63,-1329.09 cw(c1524.78,-1329.09) D17.2@1560.03,-1364.34 ; 1574.63,-1343.26 ccw(c1604.43,-1343.26) 1583.36,-1364.34 cw(c1604.43,-1343.26) 1574.63,-1343.26
KJ_B2: D21.2 P3.2 R33.1 R37.2 | length 2612.9
  Top Layer w12: P3.2@1111.94,-235.05 ccw(c1151.85,-226.88) 1141.3,-266.23 ; P3.2@1112.4,-234.96 1348,-470.56 1348,-1607 1399,-1658 1476.63,-1658 R33.1@1481,-1662.37 ; P3.2@1112.49,-234.49 cw(c1104.32,-274.4) 1143.67,-263.86 ; 1152.56,-275.12 ccw(c1112.4,-315.28) 1112.4,-258.48 cw(c1112.4,-315.28) 1152.56,-275.12 ; 1152.56,-275.12 cw(c1192.73,-234.96) 1135.93,-234.96 ccw(c1192.73,-234.96) 1152.56,-275.12 ; 1423.97,-1658 cw(c1423.97,-1715.46) 1464.6,-1674.83 ccw(c1423.97,-1715.46) 1423.97,-1658 ; 1445.07,-1658 ccw(c1445.07,-1630.38) 1464.6,-1649.91 cw(c1445.07,-1630.38) 1445.07,-1658 ; 1452.94,-1658 cw(c1452.94,-1686.49) 1473.09,-1666.35 ccw(c1452.94,-1686.49) 1452.94,-1658
  Top Layer w30: R33.1@1481,-1662.37 1549.37,-1662.37 1574.63,-1637.11 R37.2@1574.63,-1531 ; 1516.14,-1654.1 cw(c1534.46,-1684.75) D21.2@1555.89,-1656.19 ; R33.1@1481,-1662.37 ccw(c1481.01,-1560.73) 1553.95,-1631.51 cw(c1481.01,-1560.73) R33.1@1481,-1662.37 ; D21.2@1560.03,-1631.34 ccw(c1524.78,-1596.09) 1574.63,-1596.09 cw(c1524.78,-1596.09) D21.2@1560.03,-1631.34 ; 1574.63,-1610.26 ccw(c1604.43,-1610.26) 1583.36,-1631.34 cw(c1604.43,-1610.26) 1574.63,-1610.26
KJ_B3: D25.2 P3.3 R41.1 R45.2 | length 2752.1
  Top Layer w12: P3.3@1111.94,-335.05 ccw(c1151.85,-326.88) 1141.3,-366.23 ; P3.3@1112.4,-334.96 1320,-542.56 1320,-1875 1374.37,-1929.37 R41.1@1481,-1929.37 ; P3.3@1112.49,-334.49 cw(c1104.32,-374.4) 1143.67,-363.86 ; 1152.56,-375.12 ccw(c1112.4,-415.28) 1112.4,-358.48 cw(c1112.4,-415.28) 1152.56,-375.12 ; 1152.56,-375.12 cw(c1192.73,-334.96) 1135.93,-334.96 ccw(c1192.73,-334.96) 1152.56,-375.12 ; 1434.52,-1929.37 ccw(c1434.52,-1886.83) 1464.6,-1916.91 cw(c1434.52,-1886.83) 1434.52,-1929.37 ; 1434.52,-1929.37 cw(c1434.52,-1971.91) 1464.6,-1941.83 ccw(c1434.52,-1971.91) 1434.52,-1929.37
  Top Layer w30: R41.1@1481,-1929.37 1549.37,-1929.37 D25.2@1568.74,-1910 1574.63,-1904.11 R45.2@1574.63,-1798 ; 1516.14,-1921.1 cw(c1534.46,-1951.75) D25.2@1555.89,-1923.19 ; R41.1@1481,-1929.37 ccw(c1481.01,-1827.73) 1553.95,-1898.51 cw(c1481.01,-1827.73) R41.1@1481,-1929.37 ; D25.2@1560.03,-1898.34 ccw(c1524.78,-1863.09) 1574.63,-1863.09 cw(c1524.78,-1863.09) D25.2@1560.03,-1898.34 ; 1574.63,-1877.26 ccw(c1604.43,-1877.26) 1583.36,-1898.34 cw(c1604.43,-1877.26) 1574.63,-1877.26
KJ_B4: D29.2 P3.4 R49.1 R53.2 | length 2929
  Top Layer w12: P3.4@1111.94,-435.05 ccw(c1151.85,-426.88) 1141.3,-466.23 ; P3.4@1112.4,-434.96 1289,-611.56 1289,-2129 1355.37,-2195.37 R49.1@1481,-2195.37 ; P3.4@1112.49,-434.49 cw(c1104.32,-474.4) 1143.67,-463.86 ; 1152.56,-475.12 ccw(c1112.4,-515.28) 1112.4,-458.48 cw(c1112.4,-515.28) 1152.56,-475.12 ; 1152.56,-475.12 cw(c1192.73,-434.96) 1135.93,-434.96 ccw(c1192.73,-434.96) 1152.56,-475.12 ; 1434.52,-2195.37 ccw(c1434.52,-2152.83) 1464.6,-2182.91 cw(c1434.52,-2152.83) 1434.52,-2195.37 ; 1434.52,-2195.37 cw(c1434.52,-2237.91) 1464.6,-2207.83 ccw(c1434.52,-2237.91) 1434.52,-2195.37
  Top Layer w30: R49.1@1481,-2195.37 1550.37,-2195.37 D29.2@1568.74,-2177 1574.63,-2171.11 R53.2@1574.63,-2063 ; 1516.12,-2187.28 cw(c1533.85,-2217.99) D29.2@1555.65,-2190.01 ; R49.1@1481.61,-2195.37 ccw(c1481.61,-2092.83) 1554.12,-2165.34 cw(c1481.61,-2092.83) R49.1@1481.61,-2195.37 ; D29.2@1560.03,-2165.34 ccw(c1524.78,-2130.09) 1574.63,-2130.09 cw(c1524.78,-2130.09) D29.2@1560.03,-2165.34 ; 1574.63,-2144.26 ccw(c1604.43,-2144.26) 1583.36,-2165.34 cw(c1604.43,-2144.26) 1574.63,-2144.26